# KiCad board PANEL7x5_ADS1293.kicad_pcb
title: EMG ADS1293; date: 2023-12-25; rev: 1.0; company: Aightech
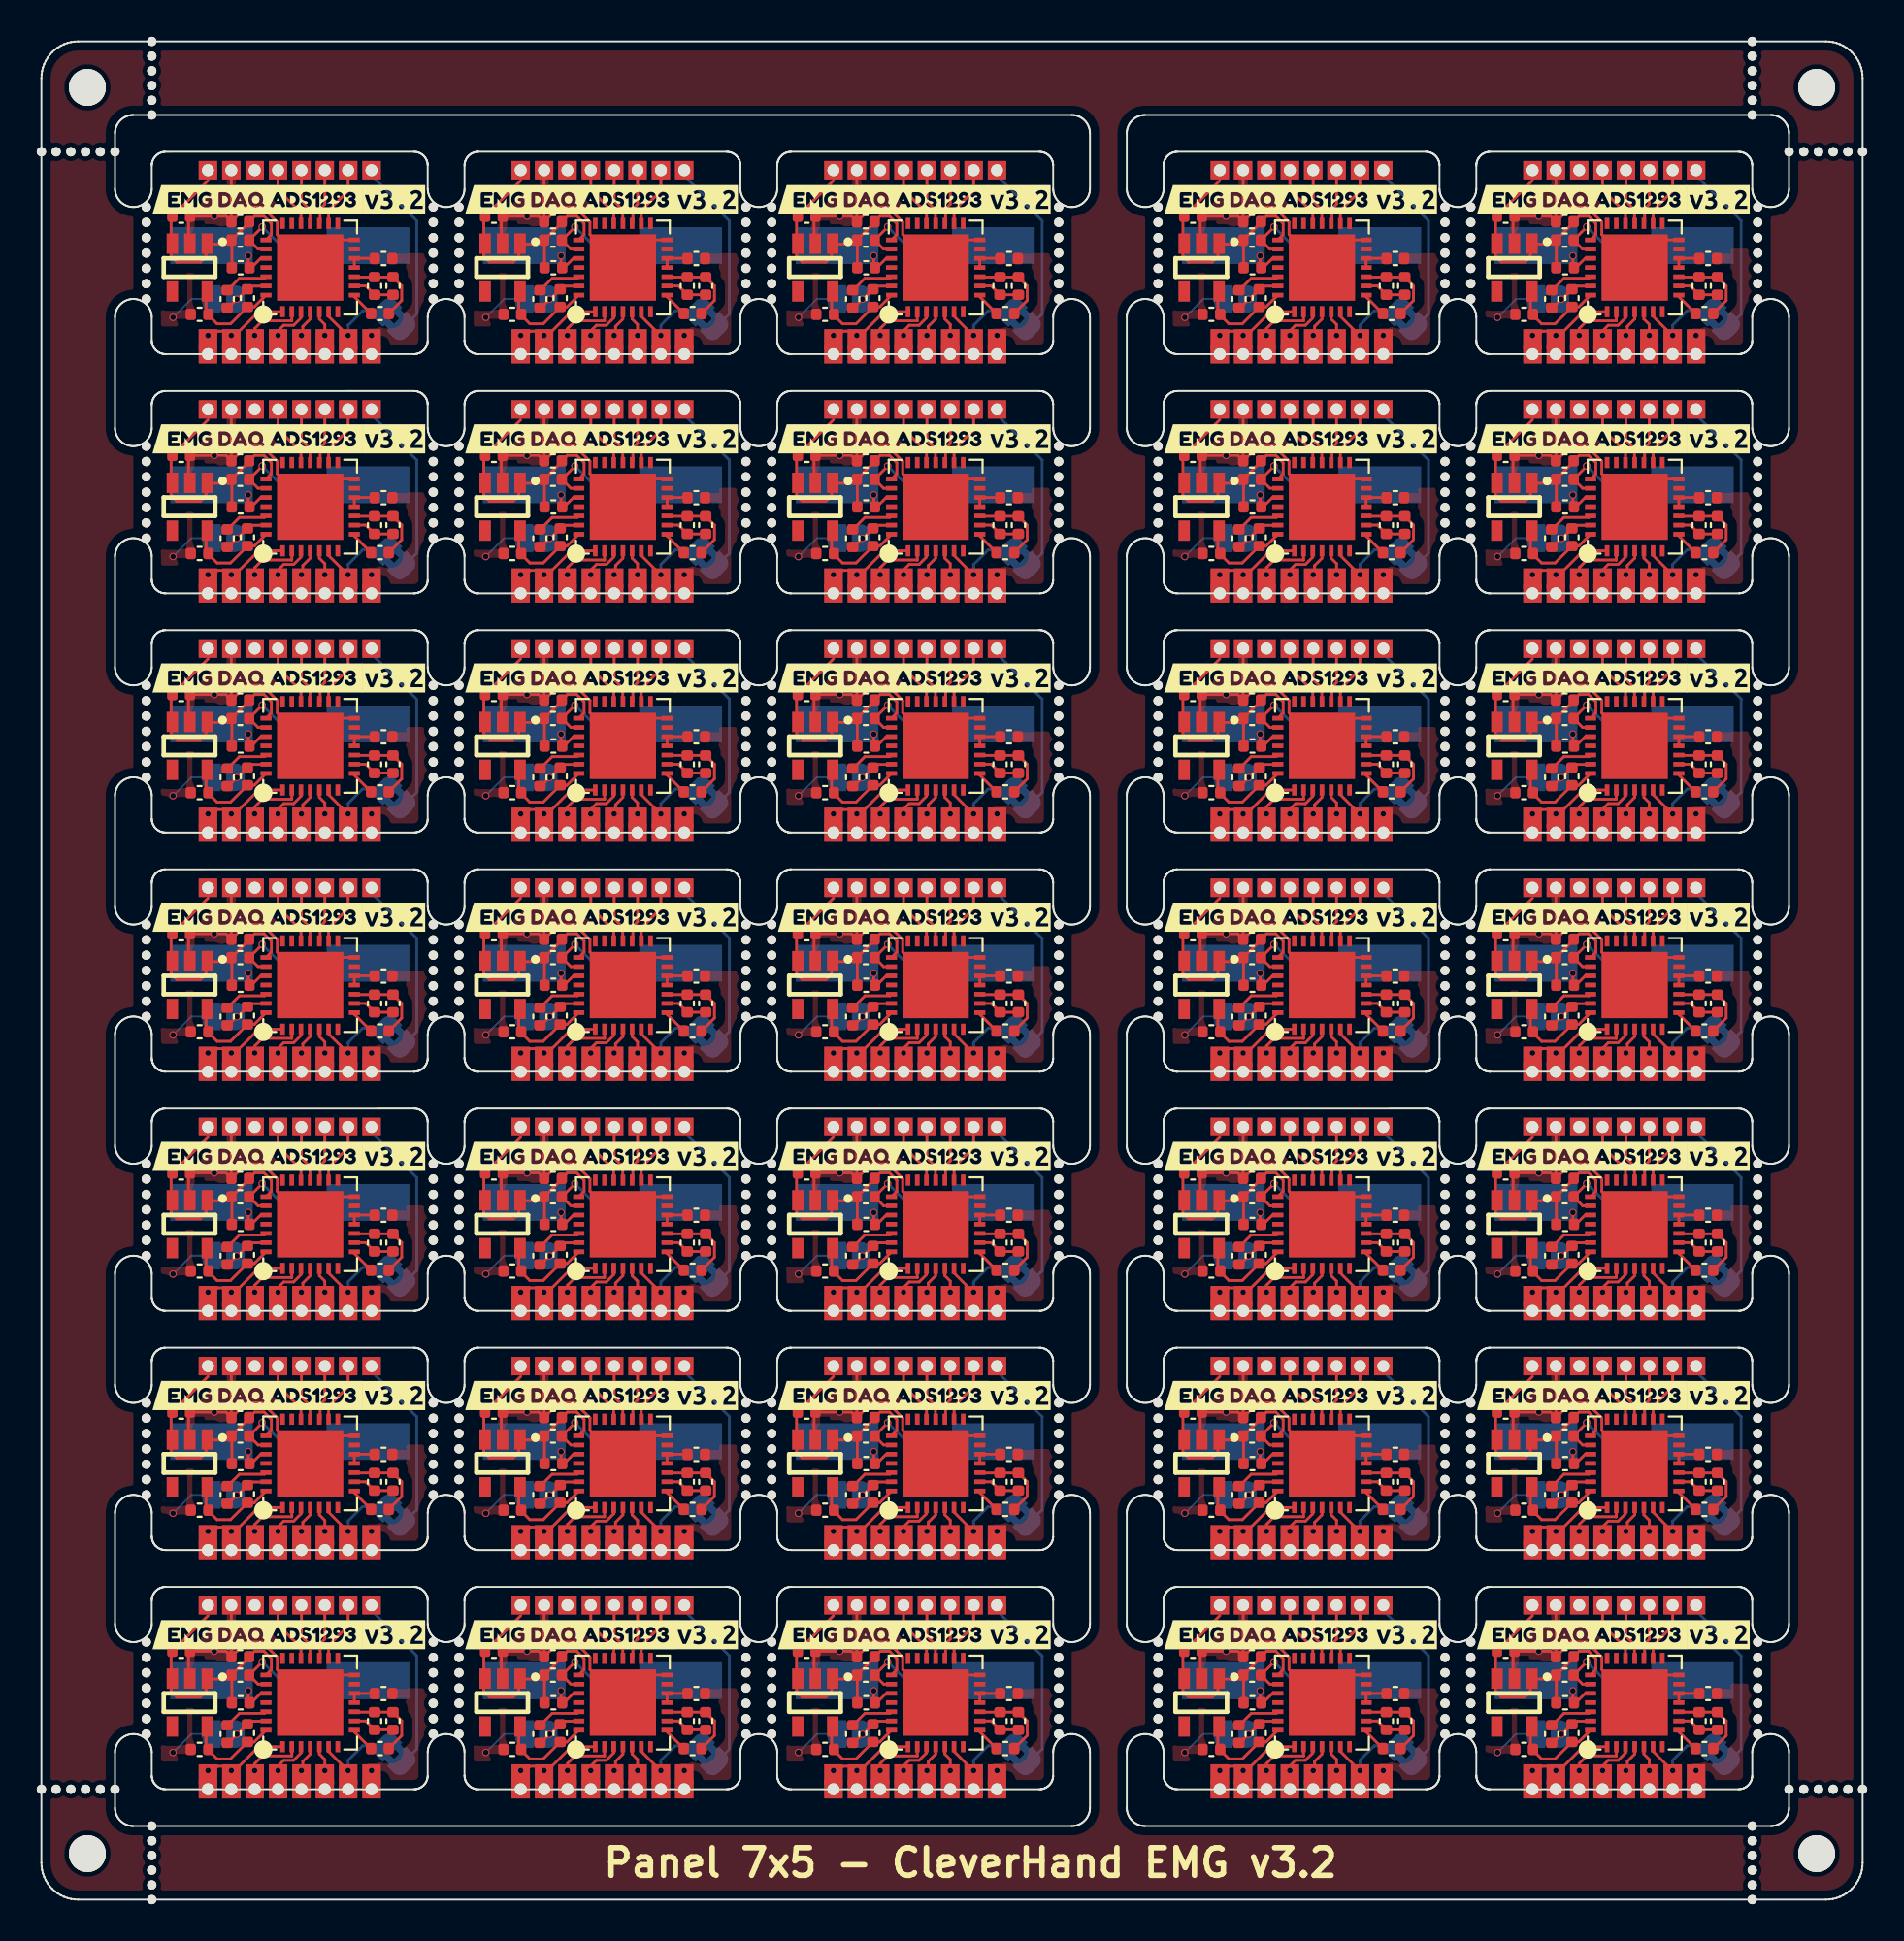
[diagram p0: board, top side]
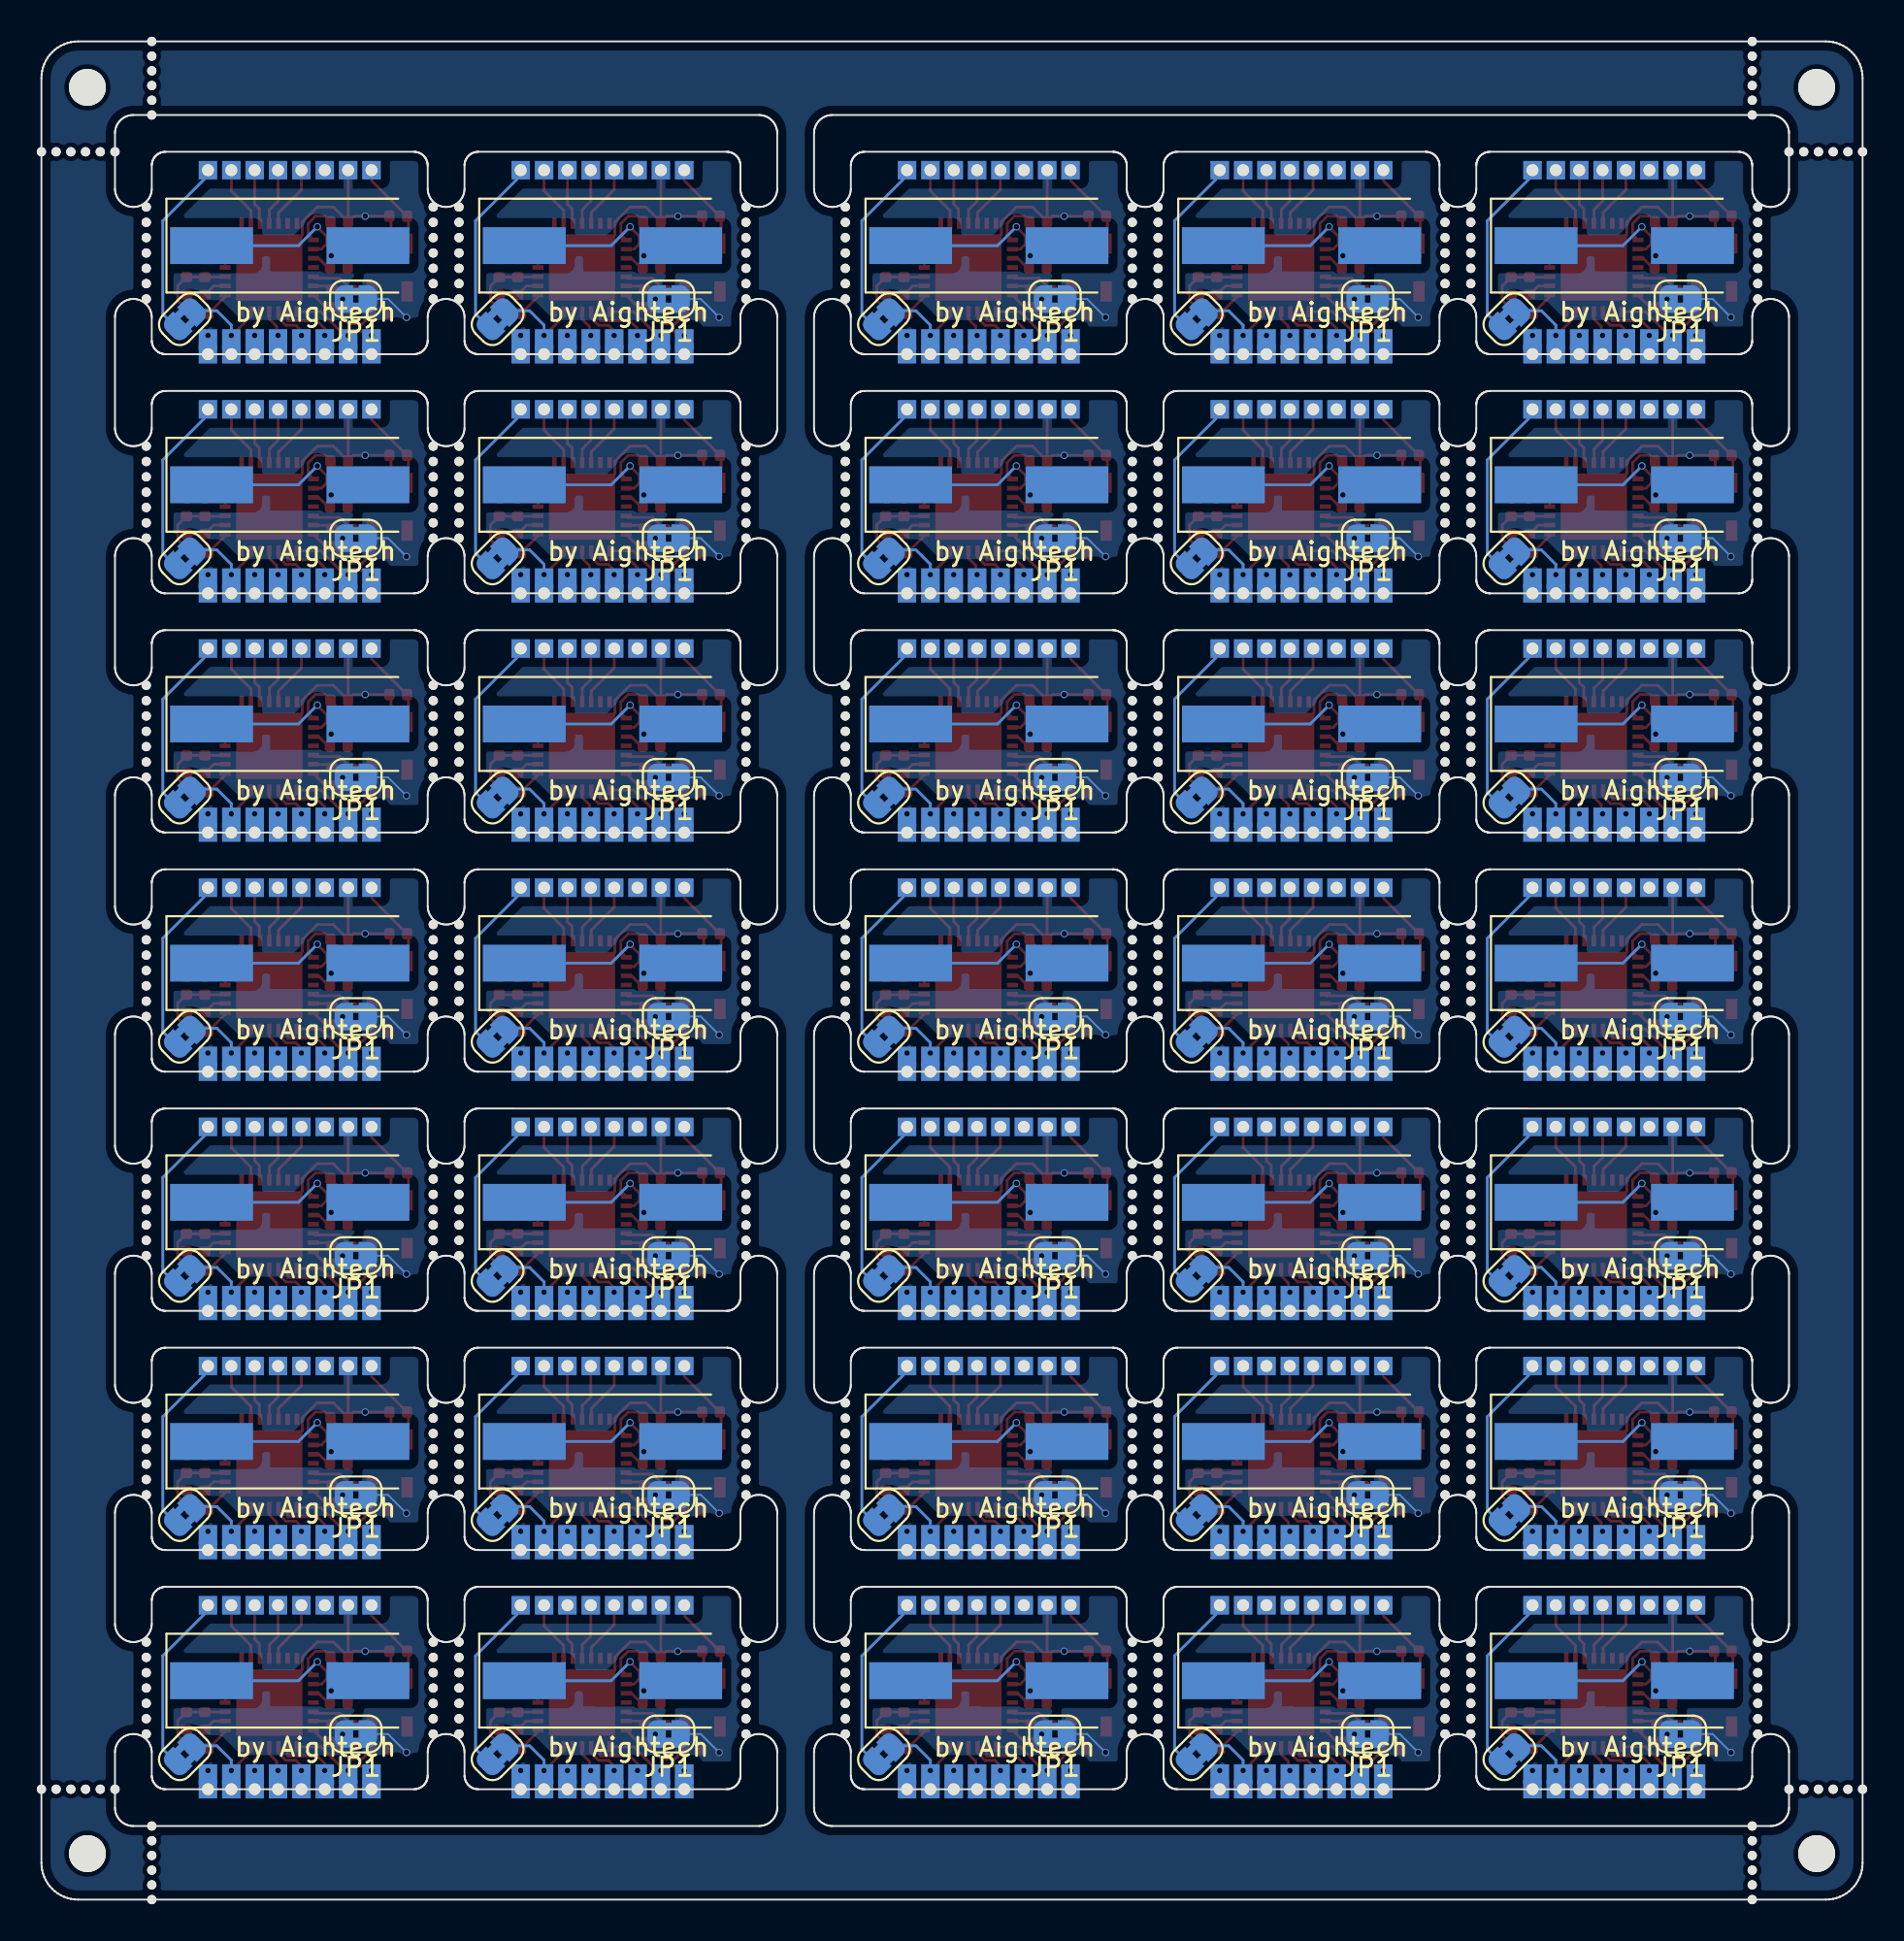
[diagram p1: board, bottom side, seen from below]

Outline 99 x 101 mm; copper layers: Top, In1.Cu, In2.Cu, Bottom. Coordinates in mm from the lower left corner of the outline.
Stack: Top 0.035mm / dielectric 0.1mm FR4 er 4.5 / In1.Cu 0.035mm / dielectric 0.44mm FR4 er 4.5 / In2.Cu 0.035mm / dielectric 0.1mm FR4 er 4.5 / Bottom 0.035mm

## Placement (name value [footprint] x y rotation side)
C1  100nF  [C_0402_1005Metric]  28.2 22.05 90 top
C1#2  100nF  [C_0402_1005Metric]  83.2 48.05 90 top
C1#3  100nF  [C_0402_1005Metric]  45.2 48.05 90 top
C1#4  100nF  [C_0402_1005Metric]  83.2 35.05 90 top
C1#5  100nF  [C_0402_1005Metric]  66.2 9.05 90 top
C1#6  100nF  [C_0402_1005Metric]  45.2 9.05 90 top
C1#7  100nF  [C_0402_1005Metric]  28.2 74.05 90 top
C1#8  100nF  [C_0402_1005Metric]  66.2 87.05 90 top
C1#9  100nF  [C_0402_1005Metric]  45.2 74.05 90 top
C1#10  100nF  [C_0402_1005Metric]  66.2 74.05 90 top
C1#11  100nF  [C_0402_1005Metric]  45.2 35.05 90 top
C1#12  100nF  [C_0402_1005Metric]  83.2 22.05 90 top
C1#13  100nF  [C_0402_1005Metric]  11.2 87.05 90 top
C1#14  100nF  [C_0402_1005Metric]  45.2 22.05 90 top
C1#15  100nF  [C_0402_1005Metric]  11.2 61.05 90 top
C1#16  100nF  [C_0402_1005Metric]  11.2 9.05 90 top
C1#17  100nF  [C_0402_1005Metric]  83.2 74.05 90 top
C1#18  100nF  [C_0402_1005Metric]  28.2 9.05 90 top
C1#19  100nF  [C_0402_1005Metric]  45.2 87.05 90 top
C1#20  100nF  [C_0402_1005Metric]  11.2 35.05 90 top
C1#21  100nF  [C_0402_1005Metric]  66.2 61.05 90 top
C1#22  100nF  [C_0402_1005Metric]  11.2 48.05 90 top
C1#23  100nF  [C_0402_1005Metric]  83.2 61.05 90 top
C1#24  100nF  [C_0402_1005Metric]  11.2 74.05 90 top
C1#25  100nF  [C_0402_1005Metric]  83.2 87.05 90 top
C1#26  100nF  [C_0402_1005Metric]  66.2 35.05 90 top
C1#27  100nF  [C_0402_1005Metric]  28.2 35.05 90 top
C1#28  100nF  [C_0402_1005Metric]  28.2 48.05 90 top
C1#29  100nF  [C_0402_1005Metric]  28.2 87.05 90 top
C1#30  100nF  [C_0402_1005Metric]  45.2 61.05 90 top
C1#31  100nF  [C_0402_1005Metric]  66.2 22.05 90 top
C1#32  100nF  [C_0402_1005Metric]  66.2 48.05 90 top
C1#33  100nF  [C_0402_1005Metric]  11.2 22.05 90 top
C1#34  100nF  [C_0402_1005Metric]  83.2 9.05 90 top
C1#35  100nF  [C_0402_1005Metric]  28.2 61.05 90 top
C2  1uF  [C_0402_1005Metric]  27.1 74 270 top
C2#2  1uF  [C_0402_1005Metric]  44.1 87 270 top
C2#3  1uF  [C_0402_1005Metric]  44.1 9 270 top
C2#4  1uF  [C_0402_1005Metric]  27.1 35 270 top
C2#5  1uF  [C_0402_1005Metric]  44.1 74 270 top
C2#6  1uF  [C_0402_1005Metric]  44.1 61 270 top
C2#7  1uF  [C_0402_1005Metric]  82.1 74 270 top
C2#8  1uF  [C_0402_1005Metric]  65.1 22 270 top
C2#9  1uF  [C_0402_1005Metric]  10.1 74 270 top
C2#10  1uF  [C_0402_1005Metric]  82.1 61 270 top
C2#11  1uF  [C_0402_1005Metric]  27.1 87 270 top
C2#12  1uF  [C_0402_1005Metric]  10.1 9 270 top
C2#13  1uF  [C_0402_1005Metric]  10.1 22 270 top
C2#14  1uF  [C_0402_1005Metric]  27.1 22 270 top
C2#15  1uF  [C_0402_1005Metric]  65.1 61 270 top
C2#16  1uF  [C_0402_1005Metric]  10.1 48 270 top
C2#17  1uF  [C_0402_1005Metric]  10.1 87 270 top
C2#18  1uF  [C_0402_1005Metric]  65.1 35 270 top
C2#19  1uF  [C_0402_1005Metric]  82.1 87 270 top
C2#20  1uF  [C_0402_1005Metric]  44.1 35 270 top
C2#21  1uF  [C_0402_1005Metric]  82.1 9 270 top
C2#22  1uF  [C_0402_1005Metric]  10.1 35 270 top
C2#23  1uF  [C_0402_1005Metric]  82.1 22 270 top
C2#24  1uF  [C_0402_1005Metric]  82.1 35 270 top
C2#25  1uF  [C_0402_1005Metric]  65.1 9 270 top
C2#26  1uF  [C_0402_1005Metric]  82.1 48 270 top
C2#27  1uF  [C_0402_1005Metric]  65.1 48 270 top
C2#28  1uF  [C_0402_1005Metric]  65.1 87 270 top
C2#29  1uF  [C_0402_1005Metric]  65.1 74 270 top
C2#30  1uF  [C_0402_1005Metric]  10.1 61 270 top
C2#31  1uF  [C_0402_1005Metric]  44.1 22 270 top
C2#32  1uF  [C_0402_1005Metric]  27.1 61 270 top
C2#33  1uF  [C_0402_1005Metric]  27.1 48 270 top
C2#34  1uF  [C_0402_1005Metric]  27.1 9 270 top
C2#35  1uF  [C_0402_1005Metric]  44.1 48 270 top
C3  22pF  [C_0402_1005Metric]  10.83 62.7 0 top
C3#2  22pF  [C_0402_1005Metric]  10.83 36.7 0 top
C3#3  22pF  [C_0402_1005Metric]  10.83 75.7 0 top
C3#4  22pF  [C_0402_1005Metric]  27.83 36.7 0 top
C3#5  22pF  [C_0402_1005Metric]  44.83 36.7 0 top
C3#6  22pF  [C_0402_1005Metric]  82.83 88.7 0 top
C3#7  22pF  [C_0402_1005Metric]  65.83 75.7 0 top
C3#8  22pF  [C_0402_1005Metric]  44.83 23.7 0 top
C3#9  22pF  [C_0402_1005Metric]  65.83 23.7 0 top
C3#10  22pF  [C_0402_1005Metric]  27.83 88.7 0 top
C3#11  22pF  [C_0402_1005Metric]  44.83 75.7 0 top
C3#12  22pF  [C_0402_1005Metric]  10.83 49.7 0 top
C3#13  22pF  [C_0402_1005Metric]  65.83 36.7 0 top
C3#14  22pF  [C_0402_1005Metric]  65.83 88.7 0 top
C3#15  22pF  [C_0402_1005Metric]  44.83 10.7 0 top
C3#16  22pF  [C_0402_1005Metric]  10.83 10.7 0 top
C3#17  22pF  [C_0402_1005Metric]  44.83 88.7 0 top
C3#18  22pF  [C_0402_1005Metric]  27.83 49.7 0 top
C3#19  22pF  [C_0402_1005Metric]  82.83 10.7 0 top
C3#20  22pF  [C_0402_1005Metric]  65.83 62.7 0 top
C3#21  22pF  [C_0402_1005Metric]  27.83 10.7 0 top
C3#22  22pF  [C_0402_1005Metric]  10.83 88.7 0 top
C3#23  22pF  [C_0402_1005Metric]  44.83 62.7 0 top
C3#24  22pF  [C_0402_1005Metric]  82.83 36.7 0 top
C3#25  22pF  [C_0402_1005Metric]  82.83 49.7 0 top
C3#26  22pF  [C_0402_1005Metric]  10.83 23.7 0 top
C3#27  22pF  [C_0402_1005Metric]  27.83 23.7 0 top
C3#28  22pF  [C_0402_1005Metric]  82.83 62.7 0 top
C3#29  22pF  [C_0402_1005Metric]  27.83 75.7 0 top
C3#30  22pF  [C_0402_1005Metric]  44.83 49.7 0 top
C3#31  22pF  [C_0402_1005Metric]  65.83 49.7 0 top
C3#32  22pF  [C_0402_1005Metric]  82.83 23.7 0 top
C3#33  22pF  [C_0402_1005Metric]  65.83 10.7 0 top
C3#34  22pF  [C_0402_1005Metric]  82.83 75.7 0 top
C3#35  22pF  [C_0402_1005Metric]  27.83 62.7 0 top
C4  22pF  [C_0402_1005Metric]  65.81 12.2 0 top
C4#2  22pF  [C_0402_1005Metric]  27.81 38.2 0 top
C4#3  22pF  [C_0402_1005Metric]  10.81 51.2 0 top
C4#4  22pF  [C_0402_1005Metric]  65.81 90.2 0 top
C4#5  22pF  [C_0402_1005Metric]  65.81 38.2 0 top
C4#6  22pF  [C_0402_1005Metric]  82.81 64.2 0 top
C4#7  22pF  [C_0402_1005Metric]  44.81 38.2 0 top
C4#8  22pF  [C_0402_1005Metric]  82.81 12.2 0 top
C4#9  22pF  [C_0402_1005Metric]  44.81 77.2 0 top
C4#10  22pF  [C_0402_1005Metric]  65.81 64.2 0 top
C4#11  22pF  [C_0402_1005Metric]  44.81 64.2 0 top
C4#12  22pF  [C_0402_1005Metric]  82.81 51.2 0 top
C4#13  22pF  [C_0402_1005Metric]  65.81 51.2 0 top
C4#14  22pF  [C_0402_1005Metric]  65.81 25.2 0 top
C4#15  22pF  [C_0402_1005Metric]  27.81 12.2 0 top
C4#16  22pF  [C_0402_1005Metric]  82.81 25.2 0 top
C4#17  22pF  [C_0402_1005Metric]  27.81 51.2 0 top
C4#18  22pF  [C_0402_1005Metric]  44.81 25.2 0 top
C4#19  22pF  [C_0402_1005Metric]  10.81 25.2 0 top
C4#20  22pF  [C_0402_1005Metric]  82.81 77.2 0 top
C4#21  22pF  [C_0402_1005Metric]  27.81 77.2 0 top
C4#22  22pF  [C_0402_1005Metric]  82.81 38.2 0 top
C4#23  22pF  [C_0402_1005Metric]  10.81 90.2 0 top
C4#24  22pF  [C_0402_1005Metric]  27.81 25.2 0 top
C4#25  22pF  [C_0402_1005Metric]  27.81 90.2 0 top
C4#26  22pF  [C_0402_1005Metric]  10.81 64.2 0 top
C4#27  22pF  [C_0402_1005Metric]  44.81 51.2 0 top
C4#28  22pF  [C_0402_1005Metric]  10.81 38.2 0 top
C4#29  22pF  [C_0402_1005Metric]  10.81 12.2 0 top
C4#30  22pF  [C_0402_1005Metric]  10.81 77.2 0 top
C4#31  22pF  [C_0402_1005Metric]  27.81 64.2 0 top
C4#32  22pF  [C_0402_1005Metric]  44.81 12.2 0 top
C4#33  22pF  [C_0402_1005Metric]  65.81 77.2 0 top
C4#34  22pF  [C_0402_1005Metric]  82.81 90.2 0 top
C4#35  22pF  [C_0402_1005Metric]  44.81 90.2 0 top
C5  100nF  [C_0402_1005Metric]  82.81 39.2 180 top
C5#2  100nF  [C_0402_1005Metric]  65.81 26.2 180 top
C5#3  100nF  [C_0402_1005Metric]  44.81 13.2 180 top
C5#4  100nF  [C_0402_1005Metric]  44.81 39.2 180 top
C5#5  100nF  [C_0402_1005Metric]  10.81 26.2 180 top
C5#6  100nF  [C_0402_1005Metric]  65.81 65.2 180 top
C5#7  100nF  [C_0402_1005Metric]  10.81 78.2 180 top
C5#8  100nF  [C_0402_1005Metric]  27.81 13.2 180 top
C5#9  100nF  [C_0402_1005Metric]  44.81 78.2 180 top
C5#10  100nF  [C_0402_1005Metric]  27.81 39.2 180 top
C5#11  100nF  [C_0402_1005Metric]  44.81 91.2 180 top
C5#12  100nF  [C_0402_1005Metric]  65.81 78.2 180 top
C5#13  100nF  [C_0402_1005Metric]  27.81 52.2 180 top
C5#14  100nF  [C_0402_1005Metric]  82.81 91.2 180 top
C5#15  100nF  [C_0402_1005Metric]  27.81 26.2 180 top
C5#16  100nF  [C_0402_1005Metric]  65.81 91.2 180 top
C5#17  100nF  [C_0402_1005Metric]  82.81 65.2 180 top
C5#18  100nF  [C_0402_1005Metric]  65.81 52.2 180 top
C5#19  100nF  [C_0402_1005Metric]  82.81 26.2 180 top
C5#20  100nF  [C_0402_1005Metric]  65.81 13.2 180 top
C5#21  100nF  [C_0402_1005Metric]  44.81 65.2 180 top
C5#22  100nF  [C_0402_1005Metric]  65.81 39.2 180 top
C5#23  100nF  [C_0402_1005Metric]  27.81 78.2 180 top
C5#24  100nF  [C_0402_1005Metric]  82.81 78.2 180 top
C5#25  100nF  [C_0402_1005Metric]  82.81 13.2 180 top
C5#26  100nF  [C_0402_1005Metric]  10.81 65.2 180 top
C5#27  100nF  [C_0402_1005Metric]  10.81 13.2 180 top
C5#28  100nF  [C_0402_1005Metric]  44.81 26.2 180 top
C5#29  100nF  [C_0402_1005Metric]  27.81 91.2 180 top
C5#30  100nF  [C_0402_1005Metric]  27.81 65.2 180 top
C5#31  100nF  [C_0402_1005Metric]  10.81 52.2 180 top
C5#32  100nF  [C_0402_1005Metric]  44.81 52.2 180 top
C5#33  100nF  [C_0402_1005Metric]  10.81 39.2 180 top
C5#34  100nF  [C_0402_1005Metric]  10.81 91.2 180 top
C5#35  100nF  [C_0402_1005Metric]  82.81 52.2 180 top
C6  1nF  [C_0402_1005Metric]  18.11 61.71 270 top
C6#2  1nF  [C_0402_1005Metric]  18.11 48.71 270 top
C6#3  1nF  [C_0402_1005Metric]  73.11 61.71 270 top
C6#4  1nF  [C_0402_1005Metric]  18.11 35.71 270 top
C6#5  1nF  [C_0402_1005Metric]  35.11 74.71 270 top
C6#6  1nF  [C_0402_1005Metric]  35.11 9.71 270 top
C6#7  1nF  [C_0402_1005Metric]  35.11 48.71 270 top
C6#8  1nF  [C_0402_1005Metric]  52.11 87.71 270 top
C6#9  1nF  [C_0402_1005Metric]  35.11 35.71 270 top
C6#10  1nF  [C_0402_1005Metric]  90.11 61.71 270 top
C6#11  1nF  [C_0402_1005Metric]  90.11 48.71 270 top
C6#12  1nF  [C_0402_1005Metric]  73.11 48.71 270 top
C6#13  1nF  [C_0402_1005Metric]  52.11 22.71 270 top
C6#14  1nF  [C_0402_1005Metric]  52.11 74.71 270 top
C6#15  1nF  [C_0402_1005Metric]  35.11 61.71 270 top
C6#16  1nF  [C_0402_1005Metric]  18.11 87.71 270 top
C6#17  1nF  [C_0402_1005Metric]  73.11 87.71 270 top
C6#18  1nF  [C_0402_1005Metric]  73.11 9.71 270 top
C6#19  1nF  [C_0402_1005Metric]  52.11 9.71 270 top
C6#20  1nF  [C_0402_1005Metric]  18.11 22.71 270 top
C6#21  1nF  [C_0402_1005Metric]  73.11 74.71 270 top
C6#22  1nF  [C_0402_1005Metric]  52.11 48.71 270 top
C6#23  1nF  [C_0402_1005Metric]  35.11 87.71 270 top
C6#24  1nF  [C_0402_1005Metric]  52.11 35.71 270 top
C6#25  1nF  [C_0402_1005Metric]  73.11 35.71 270 top
C6#26  1nF  [C_0402_1005Metric]  90.11 9.71 270 top
C6#27  1nF  [C_0402_1005Metric]  90.11 87.71 270 top
C6#28  1nF  [C_0402_1005Metric]  90.11 74.71 270 top
C6#29  1nF  [C_0402_1005Metric]  73.11 22.71 270 top
C6#30  1nF  [C_0402_1005Metric]  18.11 9.71 270 top
C6#31  1nF  [C_0402_1005Metric]  35.11 22.71 270 top
C6#32  1nF  [C_0402_1005Metric]  18.11 74.71 270 top
C6#33  1nF  [C_0402_1005Metric]  90.11 35.71 270 top
C6#34  1nF  [C_0402_1005Metric]  52.11 61.71 270 top
C6#35  1nF  [C_0402_1005Metric]  90.11 22.71 270 top
C7  100nF  [C_0402_1005Metric]  35.6 63.2 0 top
C7#2  100nF  [C_0402_1005Metric]  35.6 50.2 0 top
C7#3  100nF  [C_0402_1005Metric]  18.6 50.2 0 top
C7#4  100nF  [C_0402_1005Metric]  73.6 24.2 0 top
C7#5  100nF  [C_0402_1005Metric]  90.6 50.2 0 top
C7#6  100nF  [C_0402_1005Metric]  73.6 63.2 0 top
C7#7  100nF  [C_0402_1005Metric]  73.6 89.2 0 top
C7#8  100nF  [C_0402_1005Metric]  35.6 76.2 0 top
C7#9  100nF  [C_0402_1005Metric]  52.6 24.2 0 top
C7#10  100nF  [C_0402_1005Metric]  90.6 76.2 0 top
C7#11  100nF  [C_0402_1005Metric]  18.6 11.2 0 top
C7#12  100nF  [C_0402_1005Metric]  90.6 63.2 0 top
C7#13  100nF  [C_0402_1005Metric]  35.6 89.2 0 top
C7#14  100nF  [C_0402_1005Metric]  90.6 24.2 0 top
C7#15  100nF  [C_0402_1005Metric]  18.6 89.2 0 top
C7#16  100nF  [C_0402_1005Metric]  52.6 37.2 0 top
C7#17  100nF  [C_0402_1005Metric]  73.6 11.2 0 top
C7#18  100nF  [C_0402_1005Metric]  18.6 63.2 0 top
C7#19  100nF  [C_0402_1005Metric]  52.6 11.2 0 top
C7#20  100nF  [C_0402_1005Metric]  35.6 11.2 0 top
C7#21  100nF  [C_0402_1005Metric]  35.6 24.2 0 top
C7#22  100nF  [C_0402_1005Metric]  52.6 76.2 0 top
C7#23  100nF  [C_0402_1005Metric]  73.6 37.2 0 top
C7#24  100nF  [C_0402_1005Metric]  73.6 50.2 0 top
C7#25  100nF  [C_0402_1005Metric]  90.6 11.2 0 top
C7#26  100nF  [C_0402_1005Metric]  90.6 89.2 0 top
C7#27  100nF  [C_0402_1005Metric]  73.6 76.2 0 top
C7#28  100nF  [C_0402_1005Metric]  90.6 37.2 0 top
C7#29  100nF  [C_0402_1005Metric]  18.6 76.2 0 top
C7#30  100nF  [C_0402_1005Metric]  52.6 89.2 0 top
C7#31  100nF  [C_0402_1005Metric]  18.6 37.2 0 top
C7#32  100nF  [C_0402_1005Metric]  52.6 63.2 0 top
C7#33  100nF  [C_0402_1005Metric]  18.6 24.2 0 top
C7#34  100nF  [C_0402_1005Metric]  52.6 50.2 0 top
C7#35  100nF  [C_0402_1005Metric]  35.6 37.2 0 top
C8  1uF  [C_0402_1005Metric]  80.6 34.17 180 top
C8#2  1uF  [C_0402_1005Metric]  80.6 8.17 180 top
C8#3  1uF  [C_0402_1005Metric]  25.6 60.17 180 top
C8#4  1uF  [C_0402_1005Metric]  42.6 8.17 180 top
C8#5  1uF  [C_0402_1005Metric]  80.6 60.17 180 top
C8#6  1uF  [C_0402_1005Metric]  42.6 60.17 180 top
C8#7  1uF  [C_0402_1005Metric]  80.6 47.17 180 top
C8#8  1uF  [C_0402_1005Metric]  8.6 8.17 180 top
C8#9  1uF  [C_0402_1005Metric]  25.6 47.17 180 top
C8#10  1uF  [C_0402_1005Metric]  80.6 86.17 180 top
C8#11  1uF  [C_0402_1005Metric]  8.6 86.17 180 top
C8#12  1uF  [C_0402_1005Metric]  63.6 21.17 180 top
C8#13  1uF  [C_0402_1005Metric]  63.6 60.17 180 top
C8#14  1uF  [C_0402_1005Metric]  63.6 73.17 180 top
C8#15  1uF  [C_0402_1005Metric]  8.6 34.17 180 top
C8#16  1uF  [C_0402_1005Metric]  80.6 73.17 180 top
C8#17  1uF  [C_0402_1005Metric]  8.6 73.17 180 top
C8#18  1uF  [C_0402_1005Metric]  25.6 34.17 180 top
C8#19  1uF  [C_0402_1005Metric]  63.6 86.17 180 top
C8#20  1uF  [C_0402_1005Metric]  63.6 34.17 180 top
C8#21  1uF  [C_0402_1005Metric]  42.6 86.17 180 top
C8#22  1uF  [C_0402_1005Metric]  25.6 73.17 180 top
C8#23  1uF  [C_0402_1005Metric]  8.6 60.17 180 top
C8#24  1uF  [C_0402_1005Metric]  42.6 21.17 180 top
C8#25  1uF  [C_0402_1005Metric]  80.6 21.17 180 top
C8#26  1uF  [C_0402_1005Metric]  25.6 21.17 180 top
C8#27  1uF  [C_0402_1005Metric]  63.6 47.17 180 top
C8#28  1uF  [C_0402_1005Metric]  42.6 47.17 180 top
C8#29  1uF  [C_0402_1005Metric]  25.6 8.17 180 top
C8#30  1uF  [C_0402_1005Metric]  42.6 34.17 180 top
C8#31  1uF  [C_0402_1005Metric]  8.6 21.17 180 top
C8#32  1uF  [C_0402_1005Metric]  8.6 47.17 180 top
C8#33  1uF  [C_0402_1005Metric]  25.6 86.17 180 top
C8#34  1uF  [C_0402_1005Metric]  63.6 8.17 180 top
C8#35  1uF  [C_0402_1005Metric]  42.6 73.17 180 top
C9  1uF  [C_0402_1005Metric]  79.6 65.5 0 top
C9#2  1uF  [C_0402_1005Metric]  62.6 52.5 0 top
C9#3  1uF  [C_0402_1005Metric]  79.6 91.5 0 top
C9#4  1uF  [C_0402_1005Metric]  62.6 39.5 0 top
C9#5  1uF  [C_0402_1005Metric]  41.6 91.5 0 top
C9#6  1uF  [C_0402_1005Metric]  62.6 65.5 0 top
C9#7  1uF  [C_0402_1005Metric]  7.6 13.5 0 top
C9#8  1uF  [C_0402_1005Metric]  7.6 39.5 0 top
C9#9  1uF  [C_0402_1005Metric]  24.6 78.5 0 top
C9#10  1uF  [C_0402_1005Metric]  24.6 91.5 0 top
C9#11  1uF  [C_0402_1005Metric]  62.6 13.5 0 top
C9#12  1uF  [C_0402_1005Metric]  24.6 39.5 0 top
C9#13  1uF  [C_0402_1005Metric]  41.6 13.5 0 top
C9#14  1uF  [C_0402_1005Metric]  24.6 26.5 0 top
C9#15  1uF  [C_0402_1005Metric]  41.6 65.5 0 top
C9#16  1uF  [C_0402_1005Metric]  24.6 52.5 0 top
C9#17  1uF  [C_0402_1005Metric]  7.6 65.5 0 top
C9#18  1uF  [C_0402_1005Metric]  79.6 26.5 0 top
C9#19  1uF  [C_0402_1005Metric]  62.6 78.5 0 top
C9#20  1uF  [C_0402_1005Metric]  7.6 91.5 0 top
C9#21  1uF  [C_0402_1005Metric]  24.6 65.5 0 top
C9#22  1uF  [C_0402_1005Metric]  62.6 91.5 0 top
C9#23  1uF  [C_0402_1005Metric]  79.6 13.5 0 top
C9#24  1uF  [C_0402_1005Metric]  7.6 78.5 0 top
C9#25  1uF  [C_0402_1005Metric]  7.6 26.5 0 top
C9#26  1uF  [C_0402_1005Metric]  62.6 26.5 0 top
C9#27  1uF  [C_0402_1005Metric]  79.6 78.5 0 top
C9#28  1uF  [C_0402_1005Metric]  79.6 52.5 0 top
C9#29  1uF  [C_0402_1005Metric]  24.6 13.5 0 top
C9#30  1uF  [C_0402_1005Metric]  7.6 52.5 0 top
C9#31  1uF  [C_0402_1005Metric]  41.6 52.5 0 top
C9#32  1uF  [C_0402_1005Metric]  41.6 39.5 0 top
C9#33  1uF  [C_0402_1005Metric]  79.6 39.5 0 top
C9#34  1uF  [C_0402_1005Metric]  41.6 26.5 0 top
C9#35  1uF  [C_0402_1005Metric]  41.6 78.5 0 top
J1  Conn_01x01_Pin  [PinHeader_1x01_P1.27mm_Vertical]  11.59 55 0 top
J1#2  Conn_01x01_Pin  [PinHeader_1x01_P1.27mm_Vertical]  28.6 55 0 top
J1#3  Conn_01x01_Pin  [PinHeader_1x01_P1.27mm_Vertical]  45.59 42 0 top
J1#4  Conn_01x01_Pin  [PinHeader_1x01_P1.27mm_Vertical]  11.59 94 0 top
J1#5  Conn_01x01_Pin  [PinHeader_1x01_P1.27mm_Vertical]  66.59 16 0 top
J1#6  Conn_01x01_Pin  [PinHeader_1x01_P1.27mm_Vertical]  11.59 81 0 top
J1#7  Conn_01x01_Pin  [PinHeader_1x01_P1.27mm_Vertical]  11.59 29 0 top
J1#8  Conn_01x01_Pin  [PinHeader_1x01_P1.27mm_Vertical]  11.59 16 0 top
J1#9  Conn_01x01_Pin  [PinHeader_1x01_P1.27mm_Vertical]  83.59 68 0 top
J1#10  Conn_01x01_Pin  [PinHeader_1x01_P1.27mm_Vertical]  45.59 94 0 top
J1#11  Conn_01x01_Pin  [PinHeader_1x01_P1.27mm_Vertical]  28.6 68 0 top
J1#12  Conn_01x01_Pin  [PinHeader_1x01_P1.27mm_Vertical]  11.59 42 0 top
J1#13  Conn_01x01_Pin  [PinHeader_1x01_P1.27mm_Vertical]  83.59 94 0 top
J1#14  Conn_01x01_Pin  [PinHeader_1x01_P1.27mm_Vertical]  83.59 42 0 top
J1#15  Conn_01x01_Pin  [PinHeader_1x01_P1.27mm_Vertical]  83.59 29 0 top
J1#16  Conn_01x01_Pin  [PinHeader_1x01_P1.27mm_Vertical]  66.59 55 0 top
J1#17  Conn_01x01_Pin  [PinHeader_1x01_P1.27mm_Vertical]  66.59 68 0 top
J1#18  Conn_01x01_Pin  [PinHeader_1x01_P1.27mm_Vertical]  45.59 16 0 top
J1#19  Conn_01x01_Pin  [PinHeader_1x01_P1.27mm_Vertical]  66.59 42 0 top
J1#20  Conn_01x01_Pin  [PinHeader_1x01_P1.27mm_Vertical]  28.6 94 0 top
J1#21  Conn_01x01_Pin  [PinHeader_1x01_P1.27mm_Vertical]  11.59 68 0 top